# Altium PCB PCB1.PcbDoc
Units mm, origin at the board's own origin, x right, y up, seen from the top; angles counter-clockwise.
Board outline 41.52 x 81.52 mm, 2 copper layers (Top Layer, Bottom Layer); 23 components, 45 nets, 123 pads, 22 vias.
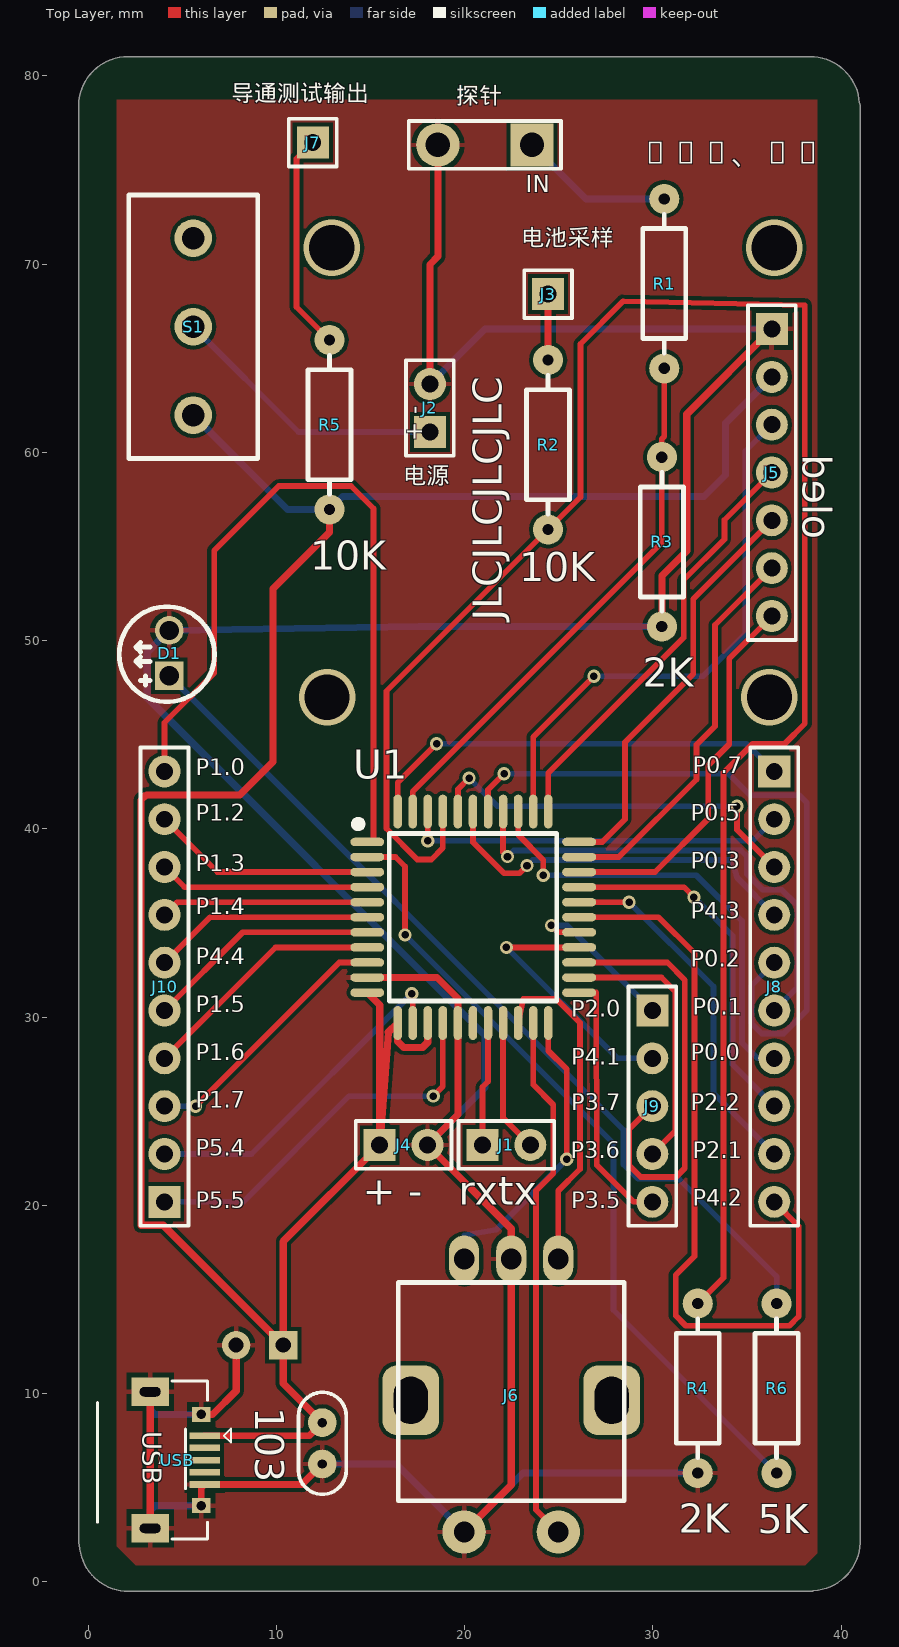
[diagram p0: Top Layer view]
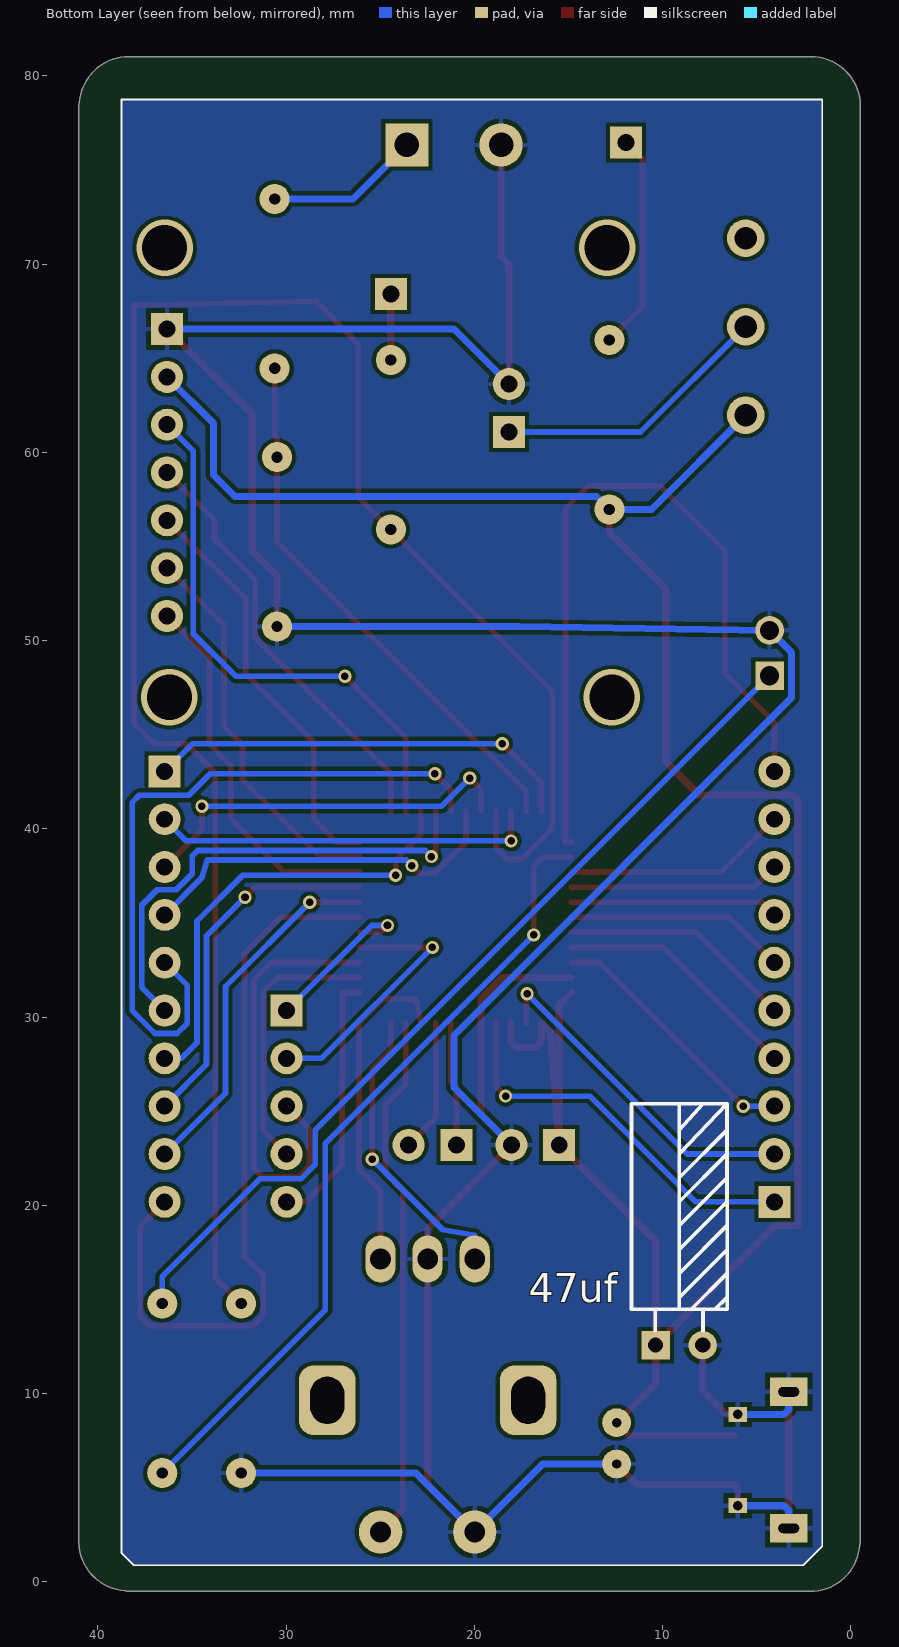
[diagram p1: Bottom Layer view, seen from below]

## Layer stack, top to bottom
Top Solder: solder mask 0.0102, Solder Resist, Dk 3.5
Top Layer: signal copper 0.0356
Dielectric 1: dielectric 0.32, FR-4, Dk 4.8
Bottom Layer: signal copper 0.0356
Bottom Solder: solder mask 0.0102, Solder Resist, Dk 3.5

## Board outline
-0.46,1.962 cw(c0,2.159) -0.5,2.159 -0.5,78.396 cw(c2.124,78.396) 2.124,81.02 38.354,81.02 cw(c38.354,78.396) 40.972,78.568 cw(c40.52,78.354) 41.02,78.354 41.02,2.166 cw(c40.52,2.166) 41.012,2.075 cw(c38.389,2.159) 38.551,-0.46 cw(c38.354,0) 38.354,-0.5 2.159,-0.5 cw(c2.159,2.124)

## Design rules (kind name [scope] priority, off if disabled: settings)
Clearance [All] p1: gap=0.203
MinimumSolderMaskSliver [All] p1: minsoldermaskwidth=0.025
PolygonConnect [All] p1: connectstyle=Relief reliefconductorwidth=0.254 reliefentries=4 polygonreliefangle="90 Angle" airgapwidth=0.254
RoutingVias [All] p1: holewidth=0.4 width=0.7 viastyle="Through Hole" minholewidth=0.4 minwidth=0.7 maxholewidth=0.5 maxwidth=0.8
SMDNeckDown [All] p1: percent=100.000
SilkToSilkClearance [All] p1: silktosilkclearance=0.025
SilkToSolderMaskClearance [IsPad] p1: minsilkscreentomaskgap=0 clearancetoexposedcopper=TRUE
SolderMaskExpansion [All] p1: expansion=0.102
Width power [InNetClass('power')] p1: maxlimit=0.508 minlimit=0.254 preferedwidth=0.381
Width [All] p2: maxlimit=0.762 minlimit=0.229 preferedwidth=0.305
27 further rules are at their usual default settings.

## Classes and differential pairs
net class power: BATIN GND INPUT VCC

## Components (designator, comment, footprint, x,y, rotation, side; value= is the part's Value field where it differs from the comment)
47uf "电解电容" 电解电容直插 9.119,12.577 r180 bottom
103 "普通电容" 瓷片电容直插 12.446,7.366 r270 top
D1 "发光二极管" LED 4.318,48.133 r90 top
J1 "rxtx" HDR2.54-LI-2P 22.222,23.214 r0 top
J2 "电源" HDR2.54-LI-2P 18.161,62.357 r90 top
J3 "电池采样" 1pin排针 24.436,68.405 r0 top
J4 "+ -" HDR2.54-LI-2P 16.761,23.214 r0 top
J5 "oled" 7pin排针 36.322,58.928 r270 top
J6 "电位器" EC11 22.479,9.906 r90 top
J7 "导通测试输出" 1pin排针 11.938,76.454 r0 top
J8 "CON10" HDR2.54-LI-10P 36.449,31.623 r270 top
J9 "CON5" HDR2.54-LI-5P 29.972,25.273 r270 top
J10 "CON10" HDR2.54-LI-10P 4.064,31.623 r90 top
R1 "10K、1W" 直插电阻1/4W 30.607,68.961 r90 top
R2 "10K" 直插电阻1/4W 24.436,60.404 r90 top
R3 "2K" 直插电阻1/4W 30.48,55.245 r90 top
R4 "2K" 直插电阻1/4W 32.385,10.287 r90 top
R5 "10K" 直插电阻1/4W 12.827,61.468 r90 top
R6 "5K" 直插电阻1/4W 36.576,10.287 r270 top
S1 "开关" SS-12D10 5.588,66.675 r90 top
U1 "STC8a8k64-LQFP44" TQFP44-10*10 20.447,35.306 r270 top
USB "USB-5P" USB-micro_A 3.302,6.477 r270 top
探针 "探针" 2pin-5mm 21.082,76.327 r180 top

## Footprints (in the part's own frame and the unit in brackets; to place one, negate y for a bottom-side part, rotate by r counter-clockwise, add the part's x,y. Pads: shape width x height; smd on the part's side, far side on the other; paste and mask are expansions set on the pad)
1pin排针 [mm] "排母，1脚"
  rect 1.7x1.7 hole 0.9: 1(0,0)
  silkscreen extent -1.27,-1.27 1.27,1.27, body extent -1.27,-1.27 1.27,1.27, height 8.5
2pin-5mm [mm] "排母，2脚"
  rect 2.3x2.3 hole 1.3: 1(-2.5,0)
  round 2.3 hole 1.3: 2(2.5,0)
  silkscreen extent -4.04,-1.27 4.04,1.27, body extent -3.76,-1.27 3.76,1.3, height 8.5
7pin排针 [mm] "排针，7脚"
  rect 1.7x1.7 hole 0.9: 1(-7.62,0)
  round 1.7 hole 0.9: 2(-5.08,0) 3(-2.54,0) 4(0,0) 5(2.54,0) 6(5.08,0) 7(7.62,0)
  silkscreen extent -8.89,-1.27 8.89,1.27, body extent -8.89,-1.27 8.89,1.27, height 8.5
EC11 [mm] "数字开关编码器"
  rrect50% 3.7x3 hole 1.8 slot 2.5 at 0 deg: 0(-0.254,5.334) 0(-0.254,-5.334)
  oval 2.5x1.6 hole 1.1: A(7.25,-2.5) B(7.25,2.5) C(7.25,0)
  round 2.3 hole 1.1: D(-7.25,-2.5) E(-7.25,2.5)
  silkscreen extent -5.59,-6 6,6, body extent -7.35,-6.24 7.45,6.24, height 22
HDR2.54-LI-2P [mm] "排针，2脚"
  rect 1.7x1.7 hole 0.9: 1(-1.27,0)
  round 1.7 hole 0.9: 2(1.27,0)
  silkscreen extent -2.54,-1.27 2.54,1.27, body extent -2.54,-1.27 2.54,1.27, height 8.5
HDR2.54-LI-5P [mm] "排针，5脚"
  rect 1.7x1.7 hole 0.9: 1(-5.08,0)
  round 1.7 hole 0.9: 2(-2.54,0) 3(0,0) 4(2.54,0) 5(5.08,0)
  silkscreen extent -6.35,-1.27 6.35,1.27, body extent -6.35,-1.27 6.35,1.27, height 8.5
HDR2.54-LI-10P [mm] "排针，10脚"
  rect 1.7x1.7 hole 0.9: 1(-11.43,0)
  round 1.7 hole 0.9: 2(-8.89,0) 3(-6.35,0) 4(-3.81,0) 5(-1.27,0) 6(1.27,0) 7(3.81,0) 8(6.35,0) 9(8.89,0) 10(11.43,0)
  silkscreen extent -12.7,-1.27 12.7,1.27, body extent -12.7,-1.27 12.7,1.27, height 8.5
LED [mil]
  rect 60x60 hole 40: A(0,0)
  round 60 hole 40: K(95,0)
  silkscreen extent -54,-95 144,105
SS-12D10 [mm] "脚距3mm"
  round 2 hole 1.2: 1(-4.7,0) 2(0,0) 3(4.7,0)
  silkscreen extent -7,-3.43 7,3.43, body extent -7,-3.1 7,3.1, height 9.65
TQFP44-10*10 [mm] "10x10mm, 0.8mm(蒜米工坊）"
  oval 0.45x1.8 smd: 1(-4,-5.613) 2(-3.2,-5.613) 3(-2.4,-5.613) 4(-1.6,-5.613) 5(-0.8,-5.613) 6(0,-5.613) 7(0.8,-5.613) 8(1.6,-5.613) 9(2.4,-5.613) 10(3.2,-5.613) 11(4,-5.613) 23(4,5.639) 24(3.2,5.639) 25(2.4,5.639) 26(1.6,5.639) 27(0.8,5.639) 28(0,5.639) 29(-0.8,5.639) 30(-1.6,5.639) 31(-2.4,5.639) 32(-3.2,5.639) 33(-4,5.639)
  oval 1.8x0.45 smd: 12(5.613,-4) 13(5.613,-3.2) 14(5.613,-2.4) 15(5.613,-1.6) 16(5.613,-0.8) 17(5.613,0) 18(5.613,0.8) 19(5.613,1.6) 20(5.613,2.4) 21(5.613,3.2) 22(5.613,4) 34(-5.613,4) 35(-5.613,3.2) 36(-5.613,2.4) 37(-5.613,1.6) 38(-5.613,0.8) 39(-5.613,0) 40(-5.613,-0.8) 41(-5.613,-1.6) 42(-5.613,-2.4) 43(-5.613,-3.2) 44(-5.613,-4)
  silkscreen extent -5.08,-6.22 4.45,4.45, body extent -6,-6 6,6, height 1.05
USB-micro_A [mm] "micro型USB ，5.7*7.8*2.5mm"
  rect 0.35x1.6 smd: 1(-1.3,2.9) 2(-0.65,2.9) 3(0,2.9) 4(0.65,2.9) 5(1.3,2.9)
  rect 1.5x2 hole 0.5 slot 1.1 at 90 deg: 5(-3.625,0) 5(3.625,0)
  rect 0.8x1 hole 0.5: 5(-2.425,2.71) 5(2.425,2.71)
  silkscreen extent -4.19,-2.79 4.19,4.3, body extent -4,-2.71 4,2.89, height 2.8
瓷片电容直插 [mil] "脚距2.2mm直径5mm"
  round 60 hole 19.68: 1(-43.31,0) 2(43.31,0)
  silkscreen extent -107,-50 107,50, body extent -94,-36 94,36, height 189
电解电容直插 [mm] "脚距2.5mm直径5mm高度11mm"
  rect 1.5x1.5 hole 0.8: 1(-1.25,0)
  round 1.5 hole 0.8: 2(1.25,0)
  silkscreen extent -2.54,0.76 2.55,12.83, body extent -2.5,-0.25 2.51,12.96, height 5.02
直插电阻1/4W [mm] "直插色环电阻，脚距9mm，直径2.3mm"
  round 1.6 hole 0.6: 1(-4.5,0) 2(4.5,0)
  silkscreen extent -3.68,-1.14 3.68,1.14, body extent -4.72,-1.16 4.73,1.16, height 2.32

## Part data
47uf 103: "Capacitor"
J1 J2 J4 探针: library part CON2, "Connector"
J3 J7: library part CON1, "Connector"
J5: library part CON7, "Connector"
J6: library part CON5, "Connector"
J8 J9 J10: "Connector"
R1 R2 R3 R4 R5 R6: library part RES
S1: library part 微动开关
U1: "STC单片机"
USB: "微型USB母座"

## Via types
v1: diameter 0.7, hole 0.4, Top Layer to Bottom Layer, tented both sides, 18 vias
v2: diameter 3, hole 2.4, Top Layer to Bottom Layer, 4 vias

## Nets (pads, with @x,y where several pads share a name; then routed paths per layer and width w, separated by ;. In a path a pad name is that pad's centre, name@x,y a point inside that pad or via, vN(x,y) a via of type N, cw(c..) or ccw(c..) an arc to the next point about the centre after c; other vN are vias at no path point)
BATIN: J3.1 R2.2 | length 3.5
  Top Layer w0.381: R2.2 J3.1
GND: 47uf.2 103.2 D1.K J2.2 J4.2 J5.1 J6.C J6.E R3.1 R4.1 U1.10 U1.16 USB.5 探针.2 | length 200.5
  Top Layer w0.35: USB.5@6.012,4.052 6.012,4.987 6.202,5.177 11.357,5.177
  Top Layer w0.381: USB.5@3.302,2.852 USB.5@3.302,10.102 ; USB.5@6.012,8.902 6.616,8.902 7.869,10.155 47uf.2 ; 11.357,5.177 103.2 ; U1.10 18.529,32.106 19.647,30.988 U1.16 19.647,24.83 J4.2 22.479,18.767 J6.C 22.479,5.156 J6.E ; J2.2 18.161,69.977 18.582,70.398 探针.2 ; R3.1 30.48,53.442 31.801,54.762 31.801,62.027 J5.1
  Bottom Layer w0.381: USB.5@3.302,2.852 3.302,3.798 3.556,4.052 USB.5@6.012,4.052 ; USB.5@3.302,10.102 3.302,9.156 3.556,8.902 USB.5@6.012,8.902 ; 103.2 16.369,6.266 J6.E 23.11,5.787 R4.1 ; J4.2 21.082,26.265 21.082,29.032 3.15,46.965 3.15,49.378 D1.K 17.598,50.745 R3.1 ; J2.2 21.082,66.548 J5.1
INPUT: R1.2 探针.1 | length 8.2
  Bottom Layer w0.381: 探针.1 26.448,73.461 R1.2
NetD1_A: D1.A R6.1 | length 48
  Bottom Layer w0.305: D1.A 28.448,24.003 28.448,22.174 29.21,21.412 31.394,21.412 36.576,16.231 R6.1
NetJ2_1: J2.1 S1.2 | length 14.9
  Bottom Layer w0.305: S1.2 11.176,61.087 J2.1
NetJ7_1: J7.1 R5.2 | length 11.6
  Top Layer w0.305: J7.1 11.074,75.59 11.074,67.721 R5.2
P0.0: J8.7 U1.36 | length 24
  Top Layer w0.305: U1.36 22.847,39.688 24.181,38.354 v1(24.181,37.541)
  Bottom Layer w0.305: v1(24.181,37.541) 32.304,37.541 34.735,35.11 34.735,28.639 35.562,27.813 J8.7
P0.1: J8.6 U1.37 | length 25.9
  Top Layer w0.305: U1.37 22.047,38.761 v1(22.281,38.526)
  Bottom Layer w0.305: v1(22.281,38.526) 22.612,38.856 34.689,38.856 34.989,38.557 34.989,37.616 35.837,36.767 36.842,36.767 37.668,35.941 37.668,31.572 J8.6
P0.2: J8.5 U1.38 | length 37.5
  Top Layer w0.305: U1.38 21.247,42.075 v1(22.098,42.926)
  Bottom Layer w0.305: v1(22.098,42.926) 34.025,42.926 35.168,41.783 37.795,41.783 38.176,41.402 38.176,30.353 36.957,29.134 35.789,29.134 35.243,29.679 35.243,31.687 J8.5
P0.3: J8.3 U1.40 | length 20.9
  Top Layer w0.305: U1.40 19.647,42.101 v1(20.244,42.697) ; v1(34.468,41.199) 34.468,39.954 J8.3
  Bottom Layer w0.305: v1(20.244,42.697) 21.742,41.199 v1(34.468,41.199)
P0.5: J8.2 U1.42 | length 20.4
  Top Layer w0.305: v1(18.047,39.364) U1.42
  Bottom Layer w0.305: v1(18.047,39.364) 35.3,39.364 J8.2
P0.7: J8.1 U1.44 | length 23
  Top Layer w0.305: U1.44 16.447,42.457 v1(18.517,44.526)
  Bottom Layer w0.305: v1(18.517,44.526) 34.976,44.526 J8.1
P1.0: J10.10 U1.1 | length 41.2
  Top Layer w0.305: J10.10 4.064,45.644 6.706,48.285 6.706,54.788 10.135,58.217 13.97,58.217 15.164,57.023 15.164,39.306 U1.1
P1.1: R6.2 U1.2 | length 42.6
  Top Layer w0.305: U1.2 16.333,38.506 16.84,37.998 v1(16.84,34.366)
  Bottom Layer w0.305: v1(16.84,34.366) 27.915,23.292 27.915,14.448 R6.2
P1.2: J10.9 U1.3 | length 11.9
  Top Layer w0.305: J10.9 6.871,37.706 U1.3
P1.3: J10.8 U1.4 | length 11.2
  Top Layer w0.305: J10.8 5.131,36.906 U1.4
P1.4: J10.7 U1.5 | length 11
  Top Layer w0.305: J10.7 4.737,36.106 U1.5
P1.5: J10.5 U1.7 | length 12.5
  Top Layer w0.305: J10.5 8.217,34.506 U1.7
P1.6: J10.4 U1.8 | length 13.2
  Top Layer w0.305: J10.4 9.957,33.706 U1.8
P1.7: J10.3 U1.9 | length 13.9
  Top Layer w0.305: v1(5.715,25.273) 13.348,32.906 U1.9
  Bottom Layer w0.305: J10.3 v1(5.715,25.273)
P2.0: J9.1 U1.27 | length 8.9
  Top Layer w0.305: v1(24.613,34.874) 24.981,34.506 U1.27
  Bottom Layer w0.305: v1(24.613,34.874) 25.451,34.874 J9.1
P2.1: J8.9 U1.29 | length 19.2
  Top Layer w0.305: U1.29 v1(28.74,36.106)
  Bottom Layer w0.305: v1(28.74,36.106) 33.223,31.623 33.223,25.959 J8.9
P2.2: J8.8 U1.30 | length 19.2
  Top Layer w0.305: U1.30 31.649,36.906 v1(32.182,36.373)
  Bottom Layer w0.305: v1(32.182,36.373) 34.227,34.327 34.227,27.495 J8.8
P2.3: J5.7 U1.31 | length 20.2
  Top Layer w0.305: U1.31 30.111,37.706 32.944,40.538 32.944,43.383 34.061,44.501 34.061,49.047 J5.7
P2.4: J5.6 U1.32 | length 20.8
  Top Layer w0.305: U1.32 28.194,38.506 32.314,42.626 32.314,44.466 33.299,45.451 33.299,50.825 J5.6
P2.5: J5.5 U1.33 | length 22
  Top Layer w0.305: U1.33 27.317,39.306 28.524,40.513 28.524,44.602 32.144,48.222 32.144,52.21 J5.5
P2.6: J5.4 U1.34 | length 22.9
  Top Layer w0.305: U1.34 24.447,42.964 31.636,50.152 31.636,53.213 33.807,55.385 33.807,56.413 J5.4
P2.7: J5.3 U1.35 | length 29.2
  Top Layer w0.305: U1.35 23.647,44.882 v1(26.873,48.108)
  Bottom Layer w0.305: v1(26.873,48.108) 32.664,48.108 34.925,50.368 34.925,60.071 J5.3
P3.0: J1.1 U1.18 | length 6.6
  Top Layer w0.305: J1.1 20.952,26.289 21.247,26.584 U1.18
P3.1: J1.2 U1.19 | length 7.1
  Top Layer w0.305: U1.19 22.047,24.66 J1.2
P3.2: J6.A U1.20 | length 17.9
  Top Layer w0.305: U1.20 23.114,30.963 24.867,30.963 26.131,29.698 26.131,21.929 24.979,20.777 J6.A
P3.3: J6.D U1.21 | length 28.3
  Top Layer w0.305: U1.21 23.647,26.416 24.714,25.349 24.714,21.692 23.8,20.777 23.8,3.835 J6.D
P3.4: J6.B U1.22 | length 15.9
  Top Layer w0.305: U1.22 24.447,28.219 25.425,27.241 v1(25.425,22.454)
  Bottom Layer w0.305: J6.B 19.979,18.415 21.681,18.709 v1(25.425,22.454)
P3.5: J9.5 U1.23 | length 13.8
  Top Layer w0.305: U1.23 27,31.306 27.026,22.141 28.973,20.193 J9.5
P3.6: J9.4 U1.24 | length 14.6
  Top Layer w0.305: U1.24 30.454,32.106 31.191,31.369 31.191,23.952 J9.4
P3.7: J9.3 U1.25 | length 23
  Top Layer w0.305: U1.25 30.772,32.906 31.699,31.979 31.699,21.971 31.242,21.514 29.362,21.514 28.753,22.123 28.753,24.054 J9.3
P04: R2.1 R4.2 U1.41 | length 105.1
  Top Layer w0.305: U1.41 18.847,38.989 18.237,38.379 17.486,38.379 15.85,40.016 15.85,47.317 R2.1 26.162,57.629 26.162,65.761 28.423,68.021 38.075,67.818 38.075,45.593 37.008,44.526 35.306,44.526 33.757,42.977 33.757,16.159 R4.2
P4.1: J9.2 U1.26 | length 14
  Top Layer w0.305: v1(22.225,33.706) U1.26
  Bottom Layer w0.305: v1(22.225,33.706) 28.118,27.813 J9.2
P4.2: J8.10 U1.28 | length 40.2
  Top Layer w0.305: U1.28 30.302,35.306 32.207,33.401 32.207,17.297 31.217,16.307 31.217,14.148 31.75,13.614 37.262,13.614 37.744,14.097 37.744,18.898 J8.10
P4.3: J8.4 U1.39 | length 20.1
  Top Layer w0.305: U1.39 20.447,39.294 22.098,37.643 22.911,37.643 v1(23.317,38.049)
  Bottom Layer w0.305: v1(23.317,38.049) 23.616,38.348 34.181,38.348 34.48,37.401 J8.4
P4.4: J10.6 U1.6 | length 11.8
  Top Layer w0.305: J10.6 6.477,35.306 U1.6
P5.4: J10.2 U1.13 | length 18.2
  Top Layer w0.305: v1(17.196,31.242) 17.247,31.191 U1.13
  Bottom Layer w0.305: J10.2 8.687,22.733 v1(17.196,31.242)
P5.5: J10.1 U1.15 | length 20.7
  Top Layer w0.305: v1(18.339,25.806) 18.847,26.315 U1.15
  Bottom Layer w0.305: J10.1 8.255,20.193 13.868,25.806 v1(18.339,25.806)
P06: R1.1 R3.2 U1.43 | length 29.1
  Top Layer w0.305: U1.43 17.247,41.987 30.48,55.22 R3.2 30.48,60.71 30.607,60.837 R1.1
VCC: 47uf.1 103.1 J4.1 J5.2 R5.1 S1.1 U1.11 U1.12 U1.14 USB.1 | length 135.8
  Top Layer w0.35: USB.1 11.757,7.777
  Top Layer w0.381: 11.757,7.777 103.1 10.369,10.543 47uf.1 ; R5.1 12.827,55.753 9.83,52.756 9.83,43.561 8.077,41.808 3.099,41.808 2.819,41.529 2.819,18.948 3.998,18.948 47uf.1 ; U1.11 15.494,30.646 J4.1@15.494,23.214 ; U1.14 18.047,28.664 17.78,28.397 16.764,28.397 16.447,28.714 U1.12 15.951,29.197 J4.1@15.494,23.214 ; 47uf.1 10.369,18.093 J4.1 J4.1@15.494,23.214
  Bottom Layer w0.381: S1.1 10.595,56.968 R5.1 13.517,57.658 32.715,57.658 33.858,58.801 33.858,61.544 J5.2
pads on no net: J6.0 S1.3 U1.17 USB.2 USB.3 USB.4
copper on no net:
  other v2: 12.695,46.99 36.195,46.99 12.949,70.866 36.449,70.866

## Polygon pours and split planes (outlines as drawn)
GND on Top Layer "Top Layer-No Net" (solid, remove dead copper, pour order 2): 1.524,78.74 38.735,78.74 38.735,1.778 38.735,1.524 38.1,0.889 2.54,0.889 1.524,1.905
GND on Bottom Layer "Top Layer-No Net" (solid, remove dead copper, pour order 5): 1.524,78.74 38.735,78.74 38.735,1.524 38.1,0.889 2.54,0.889 1.524,1.905

## Silkscreen, mask and mechanical layers (free items; w line width, h text height)
Top Overlay:
  text "IN" at 23.241,73.533 h1.52
  text "+ -" at 18.034,60.579 h1.52 r90
  text "JLCJLCJLCJLC" at 21.971,51.054 h1.52 r90
  text "P0.7" at 32.131,42.672 h1.5
  text "P1.0" at 5.715,42.545 h1.5
  text "P1.2" at 5.715,40.132 h1.5
  text "P0.5" at 32.004,40.132 h1.5
  text "P0.3" at 32.004,37.592 h1.5
  text "P1.3" at 5.715,37.465 h1.5
  text "P1.4" at 5.715,35.179 h1.5
  text "P4.3" at 32.004,34.925 h1.5
  text "P4.4" at 5.715,32.512 h1.5
  text "P0.2" at 32.004,32.385 h1.5
  text "P1.5" at 5.715,29.972 h1.5
  text "P0.1" at 32.131,29.845 h1.5
  text "P2.0" at 25.654,29.718 h1.5
  text "P1.6" at 5.715,27.432 h1.5
  text "P0.0" at 32.004,27.432 h1.5
  text "P4.1" at 25.654,27.178 h1.5
  text "P1.7" at 5.715,24.892 h1.5
  text "P3.7" at 25.654,24.765 h1.5
  text "P2.2" at 32.004,24.765 h1.5
  text "P5.4" at 5.715,22.352 h1.5
  text "P3.6" at 25.651,22.225 h1.5
  text "P2.1" at 32.131,22.225 h1.5
  text "P4.2" at 32.131,19.685 h1.5
  text "P5.5" at 5.715,19.558 h1.5
  text "P3.5" at 25.654,19.558 h1.5
Bottom Overlay:
  lines w0.1: 1.524,1.905 1.524,78.74 38.735,78.74 38.735,1.524 38.1,0.889 2.54,0.889 1.524,1.905
Mechanical 1:
  lines w1: 0,2.159 0,78.396 cw(c2.124,78.396) 2.124,80.52 38.354,80.52 cw(c38.354,78.396) 40.478,78.396 ; 0.035,2.124 ccw(c2.159,2.124) 2.159,0 38.354,0 ; 38.389,0.035 ccw(c38.389,2.159) 40.513,2.159 ; 40.52,2.166 40.52,78.354